# Altium PCB 宠物机器人&导购机器人.PcbDoc (part 3 of 14)
Units mil, origin at the board's own origin, x right, y up, seen from the top; angles counter-clockwise.
Board outline 6899.61 x 2204.72 mil, 2 copper layers (Top Layer, Bottom Layer); 229 components, 218 nets, 23463 pads, 263 vias.
Unrouted connection lines stored in the file: 107.
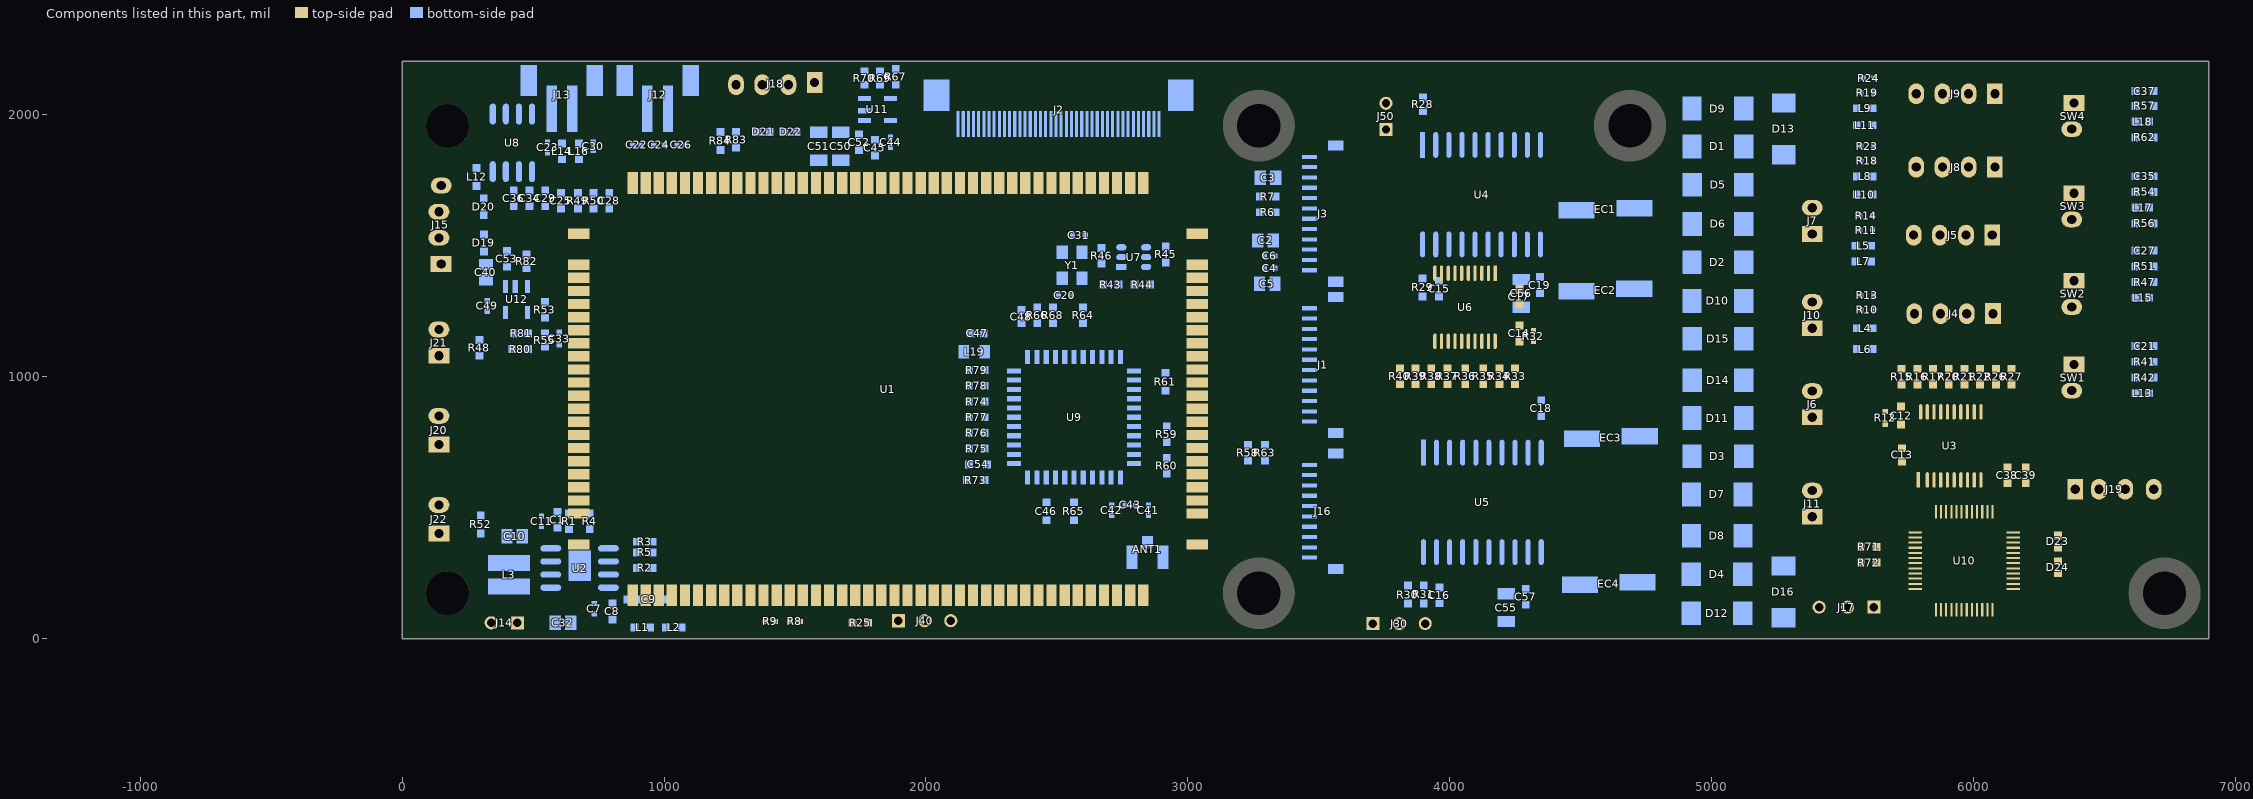
[diagram p3: the components of this part, seen from the top]

## Free pads (board coordinates) (continued)
  round 0.01 on Mech8: 1(-1217.05,-384.81) 1(-1217.05,-384.81) 1(-1217.05,-384.81) 1(-1217.05,-384.81) 1(-1217.04,-384.56) 1(-1217.04,-384.56) 1(-1217.04,-384.56) 1(-1217.04,-384.56) 1(-1217.04,-384.56) 1(-1217.04,-384.56) 1(-1217.04,-384.51) 1(-1217.04,-384.51) 1(-1217.04,-384.51) 1(-1217.04,-384.51) 1(-1217.04,-384.51) 1(-1217.04,-384.51) 1(-1217.04,-384.51) 1(-1217.04,-384.51) 1(-1217.04,-384.51) 1(-1217.04,-384.51) 1(-1217.04,-384.51) 1(-1217.04,-384.51) 1(-1217.04,-384.46) 1(-1217.04,-384.46) 1(-1217.04,-384.46) 1(-1217.04,-384.46) 1(-1217.04,-384.46) 1(-1217.04,-384.46) 1(-1217.03,-384.56) 1(-1217.03,-384.56) 1(-1217.03,-384.56) 1(-1217.03,-384.56) 1(-1217.03,-384.56) 1(-1217.03,-384.56) 1(-1217.03,-384.51) 1(-1217.03,-384.51) 1(-1217.03,-384.51) 1(-1217.03,-384.51) 1(-1217.03,-384.51) 1(-1217.03,-384.51) 1(-1217.03,-384.51) 1(-1217.03,-384.51) 1(-1217.03,-384.51) 1(-1217.03,-384.51) 1(-1217.03,-384.51) 1(-1217.03,-384.51) 1(-1217.03,-384.46) 1(-1217.03,-384.46) 1(-1217.03,-384.46) 1(-1217.03,-384.46) 1(-1217.03,-384.46) 1(-1217.03,-384.46) 1(-1217.01,-384.71) 1(-1217.01,-384.71) 1(-1217.01,-384.71) 1(-1217.01,-384.66) 1(-1217.01,-384.66) 1(-1217.01,-384.66) 1(-1217.01,-383.69) 1(-1217.01,-383.69) 1(-1217.01,-383.69) 1(-1217.01,-383.58) 1(-1217.01,-383.58) 1(-1217.01,-383.58) 1(-1217.01,-384.86) 1(-1217.01,-384.86) 1(-1217.01,-384.86) 1(-1217.01,-384.81) 1(-1217.01,-384.81) 1(-1217.01,-384.81) 1(-1217,-385) 1(-1217,-385) 1(-1217,-385) 1(-1217,-385) 1(-1217,-385) 1(-1217,-385) 1(-1217,-384.96) 1(-1217,-384.96) 1(-1217,-384.96) 1(-1217,-384.93) 1(-1217,-384.93) 1(-1217,-384.93) 1(-1217,-384.89) 1(-1217,-384.89) 1(-1217,-384.89) 1(-1217,-384.89) 1(-1217,-384.89) 1(-1217,-384.89) 1(-1216.99,-384.56) 1(-1216.99,-384.56) 1(-1216.99,-384.56) 1(-1216.99,-384.51) 1(-1216.99,-384.51) 1(-1216.99,-384.51) 1(-1216.99,-384.51) 1(-1216.99,-384.51) 1(-1216.99,-384.51) 1(-1216.99,-384.46) 1(-1216.99,-384.46) 1(-1216.99,-384.46) 1(-1216.98,-384.71) 1(-1216.98,-384.71) 1(-1216.98,-384.71) 1(-1216.98,-384.66) 1(-1216.98,-384.66) 1(-1216.98,-384.66) 1(-1216.98,-384.86) 1(-1216.98,-384.86) 1(-1216.98,-384.86) 1(-1216.98,-384.81) 1(-1216.98,-384.81) 1(-1216.98,-384.81) 1(-1216.96,-384.56) 1(-1216.96,-384.56) 1(-1216.96,-384.56) 1(-1216.96,-384.51) 1(-1216.96,-384.51) 1(-1216.96,-384.51) 1(-1216.96,-384.51) 1(-1216.96,-384.51) 1(-1216.96,-384.51) 1(-1216.96,-384.46) 1(-1216.96,-384.46) 1(-1216.96,-384.46) 1(-1216.96,-383.69) 1(-1216.96,-383.69) 1(-1216.96,-383.69) 1(-1216.96,-383.69) 1(-1216.96,-383.69) 1(-1216.96,-383.69) 1(-1216.96,-383.67) 1(-1216.96,-383.67) 1(-1216.96,-383.67) 1(-1216.96,-383.6) 1(-1216.96,-383.6) 1(-1216.96,-383.6) 1(-1216.96,-383.58) 1(-1216.96,-383.58) 1(-1216.96,-383.58) 1(-1216.96,-383.58) 1(-1216.96,-383.58) 1(-1216.96,-383.58) 1(-1216.94,-384.71) 1(-1216.94,-384.71) 1(-1216.94,-384.71) 1(-1216.94,-384.71) 1(-1216.94,-384.71) 1(-1216.94,-384.71) 1(-1216.94,-384.66) 1(-1216.94,-384.66) 1(-1216.94,-384.66) 1(-1216.94,-384.66) 1(-1216.94,-384.66) 1(-1216.94,-384.66) 1(-1216.94,-384.86) 1(-1216.94,-384.86) 1(-1216.94,-384.86) 1(-1216.94,-384.86) 1(-1216.94,-384.86) 1(-1216.94,-384.86) 1(-1216.94,-384.81) 1(-1216.94,-384.81) 1(-1216.94,-384.81) 1(-1216.94,-384.81) 1(-1216.94,-384.81) 1(-1216.94,-384.81) 1(-1216.92,-384.56) 1(-1216.92,-384.56) 1(-1216.92,-384.56) 1(-1216.92,-384.56) 1(-1216.92,-384.56) 1(-1216.92,-384.56) 1(-1216.92,-384.51) 1(-1216.92,-384.51) 1(-1216.92,-384.51) 1(-1216.92,-384.51) 1(-1216.92,-384.51) 1(-1216.92,-384.51) 1(-1216.92,-384.51) 1(-1216.92,-384.51) 1(-1216.92,-384.51) 1(-1216.92,-384.51) 1(-1216.92,-384.51) 1(-1216.92,-384.51) 1(-1216.92,-384.46) 1(-1216.92,-384.46) 1(-1216.92,-384.46) 1(-1216.92,-384.46) 1(-1216.92,-384.46) 1(-1216.92,-384.46) 1(-1216.55,-384.18) 1(-1216.55,-384.18) 1(-1216.55,-384.18) 1(-1216.55,-384.18) 1(-1216.55,-384.18) 1(-1216.55,-384.18) 1(-1216.55,-384.14) 1(-1216.55,-384.14) 1(-1216.55,-384.14) 1(-1216.55,-384.11) 1(-1216.55,-384.11) 1(-1216.55,-384.11) 1(-1216.55,-384.07) 1(-1216.55,-384.07) 1(-1216.55,-384.07) 1(-1216.55,-384.07) 1(-1216.55,-384.07) 1(-1216.55,-384.07) 1(-1216.55,-384.06) 1(-1216.55,-384.06) 1(-1216.55,-384.06) 1(-1216.55,-384.06) 1(-1216.55,-384.06) 1(-1216.55,-384.06) 1(-1216.55,-384.02) 1(-1216.55,-384.02) 1(-1216.55,-384.02) 1(-1216.55,-383.99) 1(-1216.55,-383.99) 1(-1216.55,-383.99) 1(-1216.55,-383.95) 1(-1216.55,-383.95) 1(-1216.55,-383.95) 1(-1216.55,-383.95) 1(-1216.55,-383.95) 1(-1216.55,-383.95) 1(-1216.55,-383.95) 1(-1216.55,-383.95) 1(-1216.55,-383.95) 1(-1216.55,-383.95) 1(-1216.55,-383.95) 1(-1216.55,-383.95) 1(-1216.55,-383.91) 1(-1216.55,-383.91) 1(-1216.55,-383.91) 1(-1216.55,-383.88) 1(-1216.55,-383.88) 1(-1216.55,-383.88) 1(-1216.55,-383.84) 1(-1216.55,-383.84) 1(-1216.55,-383.84) 1(-1216.55,-383.84) 1(-1216.55,-383.84) 1(-1216.55,-383.84) 1(-1216.55,-383.83) 1(-1216.55,-383.83) 1(-1216.55,-383.83) 1(-1216.55,-383.83) 1(-1216.55,-383.83) 1(-1216.55,-383.83) 1(-1216.55,-383.79) 1(-1216.55,-383.79) 1(-1216.55,-383.79) 1(-1216.55,-383.76) 1(-1216.55,-383.76) 1(-1216.55,-383.76) 1(-1216.55,-383.72) 1(-1216.55,-383.72) 1(-1216.55,-383.72) 1(-1216.55,-383.72) 1(-1216.55,-383.72) 1(-1216.55,-383.72) 1(-1216.5,-384.18) 1(-1216.5,-384.18) 1(-1216.5,-384.18) 1(-1216.5,-384.18) 1(-1216.5,-384.18) 1(-1216.5,-384.18) 1(-1216.5,-384.14) 1(-1216.5,-384.14) 1(-1216.5,-384.14) 1(-1216.5,-384.11) 1(-1216.5,-384.11) 1(-1216.5,-384.11) 1(-1216.5,-384.07) 1(-1216.5,-384.07) 1(-1216.5,-384.07) 1(-1216.5,-384.07) 1(-1216.5,-384.07) 1(-1216.5,-384.07) 1(-1216.5,-384.06) 1(-1216.5,-384.06) 1(-1216.5,-384.06) 1(-1216.5,-384.06) 1(-1216.5,-384.06) 1(-1216.5,-384.06) 1(-1216.5,-384.02) 1(-1216.5,-384.02) 1(-1216.5,-384.02) 1(-1216.5,-383.99) 1(-1216.5,-383.99) 1(-1216.5,-383.99) 1(-1216.5,-383.95) 1(-1216.5,-383.95) 1(-1216.5,-383.95) 1(-1216.5,-383.95) 1(-1216.5,-383.95) 1(-1216.5,-383.95) 1(-1216.5,-383.95) 1(-1216.5,-383.95) 1(-1216.5,-383.95) 1(-1216.5,-383.95) 1(-1216.5,-383.95) 1(-1216.5,-383.95) 1(-1216.5,-383.91) 1(-1216.5,-383.91) 1(-1216.5,-383.91) 1(-1216.5,-383.88) 1(-1216.5,-383.88) 1(-1216.5,-383.88) 1(-1216.5,-383.84) 1(-1216.5,-383.84) 1(-1216.5,-383.84) 1(-1216.5,-383.84) 1(-1216.5,-383.84) 1(-1216.5,-383.84) 1(-1216.5,-383.83) 1(-1216.5,-383.83) 1(-1216.5,-383.83) 1(-1216.5,-383.83) 1(-1216.5,-383.83) 1(-1216.5,-383.83) 1(-1216.5,-383.79) 1(-1216.5,-383.79) 1(-1216.5,-383.79) 1(-1216.5,-383.76) 1(-1216.5,-383.76) 1(-1216.5,-383.76) 1(-1216.5,-383.72) 1(-1216.5,-383.72) 1(-1216.5,-383.72) 1(-1216.5,-383.72) 1(-1216.5,-383.72) 1(-1216.5,-383.72) 1(-1216.49,-384.48) 1(-1216.49,-384.48) 1(-1216.49,-384.48) 1(-1216.49,-384.41) 1(-1216.49,-384.41) 1(-1216.49,-384.41) 1(-1216.46,-384.92) 1(-1216.46,-384.92) 1(-1216.46,-384.92) 1(-1216.46,-384.92) 1(-1216.46,-384.92) 1(-1216.46,-384.92) 1(-1216.46,-384.87) 1(-1216.46,-384.87) 1(-1216.46,-384.87) 1(-1216.46,-384.87) 1(-1216.46,-384.87) 1(-1216.46,-384.87) 1(-1216.46,-384.83) 1(-1216.46,-384.83) 1(-1216.46,-384.83) 1(-1216.46,-384.83) 1(-1216.46,-384.83) 1(-1216.46,-384.83) 1(-1216.46,-384.78) 1(-1216.46,-384.78) 1(-1216.46,-384.78) 1(-1216.46,-384.78) 1(-1216.46,-384.78) 1(-1216.46,-384.78) 1(-1216.46,-384.77) 1(-1216.46,-384.77) 1(-1216.46,-384.77) 1(-1216.46,-384.77) 1(-1216.46,-384.77) 1(-1216.46,-384.77) 1(-1216.46,-384.72) 1(-1216.46,-384.72) 1(-1216.46,-384.72) 1(-1216.46,-384.72) 1(-1216.46,-384.72) 1(-1216.46,-384.72) 1(-1216.46,-384.71) 1(-1216.46,-384.71) 1(-1216.46,-384.71) 1(-1216.46,-384.71) 1(-1216.46,-384.71) 1(-1216.46,-384.71) 1(-1216.46,-384.66) 1(-1216.46,-384.66) 1(-1216.46,-384.66) 1(-1216.46,-384.66) 1(-1216.46,-384.66) 1(-1216.46,-384.66) 1(-1216.46,-384.65) 1(-1216.46,-384.65) 1(-1216.46,-384.65) 1(-1216.46,-384.65) 1(-1216.46,-384.65) 1(-1216.46,-384.65) 1(-1216.46,-384.6) 1(-1216.46,-384.6) 1(-1216.46,-384.6) 1(-1216.46,-384.6) 1(-1216.46,-384.6) 1(-1216.46,-384.6) 1(-1216.46,-384.59) 1(-1216.46,-384.59) 1(-1216.46,-384.59) 1(-1216.46,-384.59) 1(-1216.46,-384.59) 1(-1216.46,-384.59) 1(-1216.46,-384.54) 1(-1216.46,-384.54) 1(-1216.46,-384.54) 1(-1216.46,-384.54) 1(-1216.46,-384.54) 1(-1216.46,-384.54) 1(-1216.46,-384.54) 1(-1216.46,-384.54) 1(-1216.46,-384.54) 1(-1216.46,-384.54) 1(-1216.46,-384.54) 1(-1216.46,-384.54) 1(-1216.46,-384.49) 1(-1216.46,-384.49) 1(-1216.46,-384.49) 1(-1216.46,-384.49) 1(-1216.46,-384.49) 1(-1216.46,-384.49) 1(-1216.44,-384.48) 1(-1216.44,-384.48) 1(-1216.44,-384.48) 1(-1216.44,-384.48) 1(-1216.44,-384.48) 1(-1216.44,-384.48) 1(-1216.44,-384.41) 1(-1216.44,-384.41) 1(-1216.44,-384.41) 1(-1216.44,-384.41) 1(-1216.44,-384.41) 1(-1216.44,-384.41) 1(-1216.42,-384.92) 1(-1216.42,-384.92) 1(-1216.42,-384.92) 1(-1216.42,-384.87) 1(-1216.42,-384.87) 1(-1216.42,-384.87) 1(-1216.42,-384.83) 1(-1216.42,-384.83) 1(-1216.42,-384.83) 1(-1216.42,-384.78) 1(-1216.42,-384.78) 1(-1216.42,-384.78) 1(-1216.42,-384.77) 1(-1216.42,-384.77) 1(-1216.42,-384.77) 1(-1216.42,-384.72) 1(-1216.42,-384.72) 1(-1216.42,-384.72) 1(-1216.42,-384.71) 1(-1216.42,-384.71) 1(-1216.42,-384.71) 1(-1216.42,-384.66) 1(-1216.42,-384.66) 1(-1216.42,-384.66) 1(-1216.42,-384.65) 1(-1216.42,-384.65) 1(-1216.42,-384.65) 1(-1216.42,-384.6) 1(-1216.42,-384.6) 1(-1216.42,-384.6) 1(-1216.42,-384.59) 1(-1216.42,-384.59) 1(-1216.42,-384.59) 1(-1216.42,-384.54) 1(-1216.42,-384.54) 1(-1216.42,-384.54) 1(-1216.42,-384.54) 1(-1216.42,-384.54) 1(-1216.42,-384.54) 1(-1216.42,-384.49) 1(-1216.42,-384.49) 1(-1216.42,-384.49) 1(-1216.41,-383.41) 1(-1216.41,-383.41) 1(-1216.41,-383.41) 1(-1216.41,-383.41) 1(-1216.41,-383.41) 1(-1216.41,-383.41) 1(-1216.41,-383.37) 1(-1216.41,-383.37) 1(-1216.41,-383.37) 1(-1216.41,-383.34) 1(-1216.41,-383.34) 1(-1216.41,-383.34) 1(-1216.41,-383.3) 1(-1216.41,-383.3) 1(-1216.41,-383.3) 1(-1216.41,-383.3) 1(-1216.41,-383.3) 1(-1216.41,-383.3) 1(-1216.4,-383.82) 1(-1216.4,-383.82) 1(-1216.4,-383.82) 1(-1216.4,-383.82) 1(-1216.4,-383.82) 1(-1216.4,-383.82) 1(-1216.4,-383.78) 1(-1216.4,-383.78) 1(-1216.4,-383.78) 1(-1216.4,-383.75) 1(-1216.4,-383.75) 1(-1216.4,-383.75) 1(-1216.4,-383.71) 1(-1216.4,-383.71) 1(-1216.4,-383.71) 1(-1216.4,-383.71) 1(-1216.4,-383.71) 1(-1216.4,-383.71) 1(-1216.39,-384.92) 1(-1216.39,-384.92) 1(-1216.39,-384.92) 1(-1216.39,-384.87) 1(-1216.39,-384.87) 1(-1216.39,-384.87) 1(-1216.39,-384.83) 1(-1216.39,-384.83) 1(-1216.39,-384.83) 1(-1216.39,-384.78) 1(-1216.39,-384.78) 1(-1216.39,-384.78) 1(-1216.39,-384.77) 1(-1216.39,-384.77) 1(-1216.39,-384.77) 1(-1216.39,-384.72) 1(-1216.39,-384.72) 1(-1216.39,-384.72) 1(-1216.39,-384.71) 1(-1216.39,-384.71) 1(-1216.39,-384.71) 1(-1216.39,-384.66) 1(-1216.39,-384.66) 1(-1216.39,-384.66) 1(-1216.39,-384.65) 1(-1216.39,-384.65) 1(-1216.39,-384.65) 1(-1216.39,-384.6) 1(-1216.39,-384.6) 1(-1216.39,-384.6) 1(-1216.39,-384.59) 1(-1216.39,-384.59) 1(-1216.39,-384.59) 1(-1216.39,-384.54) 1(-1216.39,-384.54) 1(-1216.39,-384.54) 1(-1216.39,-384.54) 1(-1216.39,-384.54) 1(-1216.39,-384.54) 1(-1216.39,-384.49) 1(-1216.39,-384.49) 1(-1216.39,-384.49) 1(-1216.36,-383.41) 1(-1216.36,-383.41) 1(-1216.36,-383.41) 1(-1216.36,-383.41) 1(-1216.36,-383.41) 1(-1216.36,-383.41) 1(-1216.36,-383.37) 1(-1216.36,-383.37) 1(-1216.36,-383.37) 1(-1216.36,-383.34) 1(-1216.36,-383.34) 1(-1216.36,-383.34) 1(-1216.36,-383.3) 1(-1216.36,-383.3) 1(-1216.36,-383.3) 1(-1216.36,-383.3) 1(-1216.36,-383.3) 1(-1216.36,-383.3) 1(-1216.35,-383.41) 1(-1216.35,-383.41) 1(-1216.35,-383.41) 1(-1216.35,-383.41) 1(-1216.35,-383.41) 1(-1216.35,-383.41) 1(-1216.35,-383.37) 1(-1216.35,-383.37) 1(-1216.35,-383.37) 1(-1216.35,-383.34) 1(-1216.35,-383.34) 1(-1216.35,-383.34) 1(-1216.35,-383.3) 1(-1216.35,-383.3) 1(-1216.35,-383.3) 1(-1216.35,-383.3) 1(-1216.35,-383.3) 1(-1216.35,-383.3) 1(-1216.35,-384.92) 1(-1216.35,-384.92) 1(-1216.35,-384.92) 1(-1216.35,-384.92) 1(-1216.35,-384.92) 1(-1216.35,-384.92) 1(-1216.35,-384.87) 1(-1216.35,-384.87) 1(-1216.35,-384.87) 1(-1216.35,-384.87) 1(-1216.35,-384.87) 1(-1216.35,-384.87) 1(-1216.35,-384.83) 1(-1216.35,-384.83) 1(-1216.35,-384.83) 1(-1216.35,-384.83) 1(-1216.35,-384.83) 1(-1216.35,-384.83) 1(-1216.35,-384.78) 1(-1216.35,-384.78) 1(-1216.35,-384.78) 1(-1216.35,-384.78) 1(-1216.35,-384.78) 1(-1216.35,-384.78) 1(-1216.35,-384.77) 1(-1216.35,-384.77) 1(-1216.35,-384.77) 1(-1216.35,-384.77) 1(-1216.35,-384.77) 1(-1216.35,-384.77) 1(-1216.35,-384.72) 1(-1216.35,-384.72) 1(-1216.35,-384.72) 1(-1216.35,-384.72) 1(-1216.35,-384.72) 1(-1216.35,-384.72) 1(-1216.35,-384.71) 1(-1216.35,-384.71) 1(-1216.35,-384.71) 1(-1216.35,-384.71) 1(-1216.35,-384.71) 1(-1216.35,-384.71) 1(-1216.35,-384.66) 1(-1216.35,-384.66) 1(-1216.35,-384.66) 1(-1216.35,-384.66) 1(-1216.35,-384.66) 1(-1216.35,-384.66) 1(-1216.35,-384.65) 1(-1216.35,-384.65) 1(-1216.35,-384.65) 1(-1216.35,-384.65) 1(-1216.35,-384.65) 1(-1216.35,-384.65) 1(-1216.35,-384.6) 1(-1216.35,-384.6) 1(-1216.35,-384.6) 1(-1216.35,-384.6) 1(-1216.35,-384.6) 1(-1216.35,-384.6) 1(-1216.35,-384.59) 1(-1216.35,-384.59) 1(-1216.35,-384.59) 1(-1216.35,-384.59) 1(-1216.35,-384.59) 1(-1216.35,-384.59) 1(-1216.35,-384.54) 1(-1216.35,-384.54) 1(-1216.35,-384.54) 1(-1216.35,-384.54) 1(-1216.35,-384.54) 1(-1216.35,-384.54) 1(-1216.35,-384.54) 1(-1216.35,-384.54) 1(-1216.35,-384.54) 1(-1216.35,-384.54) 1(-1216.35,-384.54) 1(-1216.35,-384.54) 1(-1216.35,-384.49) 1(-1216.35,-384.49) 1(-1216.35,-384.49) 1(-1216.35,-384.49) 1(-1216.35,-384.49) 1(-1216.35,-384.49) 1(-1216.35,-384.48) 1(-1216.35,-384.48) 1(-1216.35,-384.48) 1(-1216.35,-384.41) 1(-1216.35,-384.41) 1(-1216.35,-384.41) 1(-1216.35,-383.82) 1(-1216.35,-383.82) 1(-1216.35,-383.82) 1(-1216.35,-383.82) 1(-1216.35,-383.82) 1(-1216.35,-383.82) 1(-1216.35,-383.78) 1(-1216.35,-383.78) 1(-1216.35,-383.78) 1(-1216.35,-383.75) 1(-1216.35,-383.75) 1(-1216.35,-383.75) 1(-1216.35,-383.71) 1(-1216.35,-383.71) 1(-1216.35,-383.71) 1(-1216.35,-383.71) 1(-1216.35,-383.71) 1(-1216.35,-383.71) 1(-1216.34,-383.82) 1(-1216.34,-383.82) 1(-1216.34,-383.82) 1(-1216.34,-383.82) 1(-1216.34,-383.82) 1(-1216.34,-383.82) 1(-1216.34,-383.78) 1(-1216.34,-383.78) 1(-1216.34,-383.78) 1(-1216.34,-383.76) 1(-1216.34,-383.76) 1(-1216.34,-383.76) 1(-1216.34,-383.72) 1(-1216.34,-383.72) 1(-1216.34,-383.72) 1(-1216.34,-383.71) 1(-1216.34,-383.71) 1(-1216.34,-383.71) 1(-1216.34,-383.71) 1(-1216.34,-383.71) 1(-1216.34,-383.71) 1(-1216.3,-383.41) 1(-1216.3,-383.41) 1(-1216.3,-383.41) 1(-1216.3,-383.41) 1(-1216.3,-383.41) 1(-1216.3,-383.41) 1(-1216.3,-383.37) 1(-1216.3,-383.37) 1(-1216.3,-383.37) 1(-1216.3,-383.34) 1(-1216.3,-383.34) 1(-1216.3,-383.34) 1(-1216.3,-383.3) 1(-1216.3,-383.3) 1(-1216.3,-383.3) 1(-1216.3,-383.3) 1(-1216.3,-383.3) 1(-1216.3,-383.3) 1(-1216.29,-383.82) 1(-1216.29,-383.82) 1(-1216.29,-383.82) 1(-1216.29,-383.82) 1(-1216.29,-383.82) 1(-1216.29,-383.82) 1(-1216.29,-383.78) 1(-1216.29,-383.78) 1(-1216.29,-383.78) 1(-1216.29,-383.76) 1(-1216.29,-383.76) 1(-1216.29,-383.76) 1(-1216.29,-383.72) 1(-1216.29,-383.72) 1(-1216.29,-383.72) 1(-1216.29,-383.71) 1(-1216.29,-383.71) 1(-1216.29,-383.71) 1(-1216.29,-383.71) 1(-1216.29,-383.71) 1(-1216.29,-383.71) 1(-1216.29,-384.21) 1(-1216.29,-384.21) 1(-1216.29,-384.21) 1(-1216.29,-384.21) 1(-1216.29,-384.21) 1(-1216.29,-384.21) 1(-1216.29,-384.17) 1(-1216.29,-384.17) 1(-1216.29,-384.17) 1(-1216.29,-384.14) 1(-1216.29,-384.14) 1(-1216.29,-384.14) 1(-1216.29,-384.1) 1(-1216.29,-384.1) 1(-1216.29,-384.1) 1(-1216.29,-384.1) 1(-1216.29,-384.1) 1(-1216.29,-384.1) 1(-1216.29,-384.09) 1(-1216.29,-384.09) 1(-1216.29,-384.09) 1(-1216.29,-384.09) 1(-1216.29,-384.09) 1(-1216.29,-384.09) 1(-1216.29,-384.05) 1(-1216.29,-384.05) 1(-1216.29,-384.05) 1(-1216.29,-384.02) 1(-1216.29,-384.02) 1(-1216.29,-384.02) 1(-1216.29,-383.98) 1(-1216.29,-383.98) 1(-1216.29,-383.98) 1(-1216.29,-383.98) 1(-1216.29,-383.98) 1(-1216.29,-383.98) 1(-1216.24,-383.82) 1(-1216.24,-383.82) 1(-1216.24,-383.82) 1(-1216.24,-383.82) 1(-1216.24,-383.82) 1(-1216.24,-383.82) 1(-1216.24,-383.78) 1(-1216.24,-383.78) 1(-1216.24,-383.78) 1(-1216.24,-383.75) 1(-1216.24,-383.75) 1(-1216.24,-383.75) 1(-1216.24,-383.71) 1(-1216.24,-383.71) 1(-1216.24,-383.71) 1(-1216.24,-383.71) 1(-1216.24,-383.71) 1(-1216.24,-383.71) 1(-1216.24,-383.97) 1(-1216.24,-383.97) 1(-1216.24,-383.97) 1(-1216.24,-383.97) 1(-1216.24,-383.97) 1(-1216.24,-383.97) 1(-1216.24,-383.93) 1(-1216.24,-383.93) 1(-1216.24,-383.93) 1(-1216.24,-383.9) 1(-1216.24,-383.9) 1(-1216.24,-383.9) 1(-1216.24,-383.86) 1(-1216.24,-383.86) 1(-1216.24,-383.86) 1(-1216.24,-383.86) 1(-1216.24,-383.86) 1(-1216.24,-383.86) 1(-1216.24,-384.21) 1(-1216.24,-384.21) 1(-1216.24,-384.21) 1(-1216.24,-384.21) 1(-1216.24,-384.21) 1(-1216.24,-384.21) 1(-1216.24,-384.17) 1(-1216.24,-384.17) 1(-1216.24,-384.17) 1(-1216.24,-384.14) 1(-1216.24,-384.14) 1(-1216.24,-384.14) 1(-1216.24,-384.1) 1(-1216.24,-384.1) 1(-1216.24,-384.1) 1(-1216.24,-384.1) 1(-1216.24,-384.1) 1(-1216.24,-384.1) 1(-1216.24,-384.09) 1(-1216.24,-384.09) 1(-1216.24,-384.09) 1(-1216.24,-384.09) 1(-1216.24,-384.09) 1(-1216.24,-384.09) 1(-1216.24,-384.05) 1(-1216.24,-384.05) 1(-1216.24,-384.05) 1(-1216.24,-384.02) 1(-1216.24,-384.02) 1(-1216.24,-384.02) 1(-1216.24,-383.98) 1(-1216.24,-383.98) 1(-1216.24,-383.98) 1(-1216.24,-383.98) 1(-1216.24,-383.98) 1(-1216.24,-383.98) 1(-1216.22,-384.35) 1(-1216.22,-384.35) 1(-1216.22,-384.35) 1(-1216.22,-384.35) 1(-1216.22,-384.35) 1(-1216.22,-384.35) 1(-1216.22,-384.31) 1(-1216.22,-384.31) 1(-1216.22,-384.31) 1(-1216.22,-384.28) 1(-1216.22,-384.28) 1(-1216.22,-384.28) 1(-1216.22,-384.24) 1(-1216.22,-384.24) 1(-1216.22,-384.24) 1(-1216.22,-384.24) 1(-1216.22,-384.24) 1(-1216.22,-384.24) 1(-1216.19,-383.82) 1(-1216.19,-383.82) 1(-1216.19,-383.82) 1(-1216.19,-383.82) 1(-1216.19,-383.82) 1(-1216.19,-383.82) 1(-1216.19,-383.78) 1(-1216.19,-383.78) 1(-1216.19,-383.78) 1(-1216.19,-383.75) 1(-1216.19,-383.75) 1(-1216.19,-383.75) 1(-1216.19,-383.71) 1(-1216.19,-383.71) 1(-1216.19,-383.71) 1(-1216.19,-383.71) 1(-1216.19,-383.71) 1(-1216.19,-383.71) 1(-1216.19,-383.97) 1(-1216.19,-383.97) 1(-1216.19,-383.97) 1(-1216.19,-383.97) 1(-1216.19,-383.97) 1(-1216.19,-383.97) 1(-1216.19,-383.93) 1(-1216.19,-383.93) 1(-1216.19,-383.93) 1(-1216.19,-383.9) 1(-1216.19,-383.9) 1(-1216.19,-383.9) 1(-1216.19,-383.86) 1(-1216.19,-383.86) 1(-1216.19,-383.86) 1(-1216.19,-383.86) 1(-1216.19,-383.86) 1(-1216.19,-383.86) 1(-1216.19,-383.82) 1(-1216.19,-383.82) 1(-1216.19,-383.82) 1(-1216.19,-383.82) 1(-1216.19,-383.82) 1(-1216.19,-383.82) 1(-1216.19,-383.78) 1(-1216.19,-383.78) 1(-1216.19,-383.78) 1(-1216.19,-383.75) 1(-1216.19,-383.75) 1(-1216.19,-383.75) 1(-1216.19,-383.71) 1(-1216.19,-383.71) 1(-1216.19,-383.71) 1(-1216.19,-383.71) 1(-1216.19,-383.71) 1(-1216.19,-383.71) 1(-1216.17,-384.35) 1(-1216.17,-384.35) 1(-1216.17,-384.35) 1(-1216.17,-384.35) 1(-1216.17,-384.35) 1(-1216.17,-384.35) 1(-1216.17,-384.31) 1(-1216.17,-384.31) 1(-1216.17,-384.31) 1(-1216.17,-384.28) 1(-1216.17,-384.28) 1(-1216.17,-384.28) 1(-1216.17,-384.24) 1(-1216.17,-384.24) 1(-1216.17,-384.24) 1(-1216.17,-384.24) 1(-1216.17,-384.24) 1(-1216.17,-384.24) 1(-1216.16,-384.35) 1(-1216.16,-384.35) 1(-1216.16,-384.35) 1(-1216.16,-384.35) 1(-1216.16,-384.35) 1(-1216.16,-384.35) 1(-1216.16,-384.31) 1(-1216.16,-384.31) 1(-1216.16,-384.31) 1(-1216.16,-384.28) 1(-1216.16,-384.28) 1(-1216.16,-384.28) 1(-1216.16,-384.24) 1(-1216.16,-384.24) 1(-1216.16,-384.24) 1(-1216.16,-384.24) 1(-1216.16,-384.24) 1(-1216.16,-384.24) 1(-1216.15,-383.88) 1(-1216.15,-383.88) 1(-1216.15,-383.88) 1(-1216.15,-383.88) 1(-1216.15,-383.88) 1(-1216.15,-383.88) 1(-1216.15,-383.83) 1(-1216.15,-383.83) 1(-1216.15,-383.83) 1(-1216.15,-383.83) 1(-1216.15,-383.83) 1(-1216.15,-383.83) 1(-1216.14,-383.82) 1(-1216.14,-383.82) 1(-1216.14,-383.82) 1(-1216.14,-383.82) 1(-1216.14,-383.82) 1(-1216.14,-383.82) 1(-1216.14,-383.78) 1(-1216.14,-383.78) 1(-1216.14,-383.78) 1(-1216.14,-383.75) 1(-1216.14,-383.75) 1(-1216.14,-383.75) 1(-1216.14,-383.71) 1(-1216.14,-383.71) 1(-1216.14,-383.71) 1(-1216.14,-383.71) 1(-1216.14,-383.71) 1(-1216.14,-383.71) 1(-1216.13,-384.2) 1(-1216.13,-384.2) 1(-1216.13,-384.2) 1(-1216.13,-384.2) 1(-1216.13,-384.2) 1(-1216.13,-384.2) 1(-1216.13,-384.16) 1(-1216.13,-384.16) 1(-1216.13,-384.16) 1(-1216.13,-384.13) 1(-1216.13,-384.13) 1(-1216.13,-384.13) 1(-1216.13,-384.09) 1(-1216.13,-384.09) 1(-1216.13,-384.09) 1(-1216.13,-384.09) 1(-1216.13,-384.09) 1(-1216.13,-384.09) 1(-1216.11,-384.35) 1(-1216.11,-384.35) 1(-1216.11,-384.35) 1(-1216.11,-384.35) 1(-1216.11,-384.35) 1(-1216.11,-384.35) 1(-1216.11,-384.31) 1(-1216.11,-384.31) 1(-1216.11,-384.31) 1(-1216.11,-384.28) 1(-1216.11,-384.28) 1(-1216.11,-384.28) 1(-1216.11,-384.24) 1(-1216.11,-384.24) 1(-1216.11,-384.24) 1(-1216.11,-384.24) 1(-1216.11,-384.24) 1(-1216.11,-384.24) 1(-1216.11,-383.88) 1(-1216.11,-383.88) 1(-1216.11,-383.88) 1(-1216.11,-383.83) 1(-1216.11,-383.83) 1(-1216.11,-383.83) 1(-1216.08,-385.04) 1(-1216.08,-385.04) 1(-1216.08,-385.04) 1(-1216.08,-385.04) 1(-1216.08,-385.04) 1(-1216.08,-385.04) 1(-1216.08,-385) 1(-1216.08,-385) 1(-1216.08,-385) 1(-1216.08,-384.97) 1(-1216.08,-384.97) 1(-1216.08,-384.97) 1(-1216.08,-384.93) 1(-1216.08,-384.93) 1(-1216.08,-384.93) 1(-1216.08,-384.93) 1(-1216.08,-384.93) 1(-1216.08,-384.93) 1(-1216.08,-383.88) 1(-1216.08,-383.88) 1(-1216.08,-383.88) 1(-1216.08,-383.83) 1(-1216.08,-383.83) 1(-1216.08,-383.83) 1(-1216.08,-384.2) 1(-1216.08,-384.2) 1(-1216.08,-384.2) 1(-1216.08,-384.2) 1(-1216.08,-384.2) 1(-1216.08,-384.2) 1(-1216.08,-384.16) 1(-1216.08,-384.16) 1(-1216.08,-384.16) 1(-1216.08,-384.13) 1(-1216.08,-384.13) 1(-1216.08,-384.13) 1(-1216.08,-384.09) 1(-1216.08,-384.09) 1(-1216.08,-384.09) 1(-1216.08,-384.09) 1(-1216.08,-384.09) 1(-1216.08,-384.09) 1(-1216.05,-384.35) 1(-1216.05,-384.35) 1(-1216.05,-384.35) 1(-1216.05,-384.35) 1(-1216.05,-384.35) 1(-1216.05,-384.35) 1(-1216.05,-384.31) 1(-1216.05,-384.31) 1(-1216.05,-384.31) 1(-1216.05,-384.28) 1(-1216.05,-384.28) 1(-1216.05,-384.28) 1(-1216.05,-384.24) 1(-1216.05,-384.24) 1(-1216.05,-384.24) 1(-1216.05,-384.24) 1(-1216.05,-384.24) 1(-1216.05,-384.24) 1(-1216.04,-383.88) 1(-1216.04,-383.88) 1(-1216.04,-383.88) 1(-1216.04,-383.88) 1(-1216.04,-383.88) 1(-1216.04,-383.88) 1(-1216.04,-383.83) 1(-1216.04,-383.83) 1(-1216.04,-383.83) 1(-1216.04,-383.83) 1(-1216.04,-383.83) 1(-1216.04,-383.83) 1(-1216.03,-385.04) 1(-1216.03,-385.04) 1(-1216.03,-385.04) 1(-1216.03,-385.04) 1(-1216.03,-385.04) 1(-1216.03,-385.04) 1(-1216.03,-385) 1(-1216.03,-385) 1(-1216.03,-385) 1(-1216.03,-384.97) 1(-1216.03,-384.97) 1(-1216.03,-384.97) 1(-1216.03,-384.93) 1(-1216.03,-384.93) 1(-1216.03,-384.93) 1(-1216.03,-384.93) 1(-1216.03,-384.93) 1(-1216.03,-384.93) 1(-1216.03,-383.88) 1(-1216.03,-383.88) 1(-1216.03,-383.88) 1(-1216.03,-383.88) 1(-1216.03,-383.88) 1(-1216.03,-383.88) 1(-1216.03,-383.83) 1(-1216.03,-383.83) 1(-1216.03,-383.83) 1(-1216.03,-383.83) 1(-1216.03,-383.83) 1(-1216.03,-383.83) 1(-1216,-384.35) 1(-1216,-384.35) 1(-1216,-384.35) 1(-1216,-384.35) 1(-1216,-384.35) 1(-1216,-384.35) 1(-1216,-384.31) 1(-1216,-384.31) 1(-1216,-384.31) 1(-1216,-384.28) 1(-1216,-384.28) 1(-1216,-384.28) 1(-1216,-384.24) 1(-1216,-384.24) 1(-1216,-384.24) 1(-1216,-384.24) 1(-1216,-384.24) 1(-1216,-384.24) 1(-1215.99,-384.35) 1(-1215.99,-384.35) 1(-1215.99,-384.35) 1(-1215.99,-384.35) 1(-1215.99,-384.35) 1(-1215.99,-384.35) 1(-1215.99,-384.31) 1(-1215.99,-384.31) 1(-1215.99,-384.31) 1(-1215.99,-384.28) 1(-1215.99,-384.28) 1(-1215.99,-384.28) 1(-1215.99,-384.24) 1(-1215.99,-384.24) 1(-1215.99,-384.24) 1(-1215.99,-384.24) 1(-1215.99,-384.24) 1(-1215.99,-384.24) 1(-1215.99,-383.88) 1(-1215.99,-383.88) 1(-1215.99,-383.88) 1(-1215.99,-383.83) 1(-1215.99,-383.83) 1(-1215.99,-383.83) 1(-1215.96,-383.88) 1(-1215.96,-383.88) 1(-1215.96,-383.88) 1(-1215.96,-383.83) 1(-1215.96,-383.83) 1(-1215.96,-383.83) 1(-1215.95,-383.15) 1(-1215.95,-383.15) 1(-1215.95,-383.15) 1(-1215.95,-383.15) 1(-1215.95,-383.15) 1(-1215.95,-383.15) 1(-1215.95,-382.94) 1(-1215.95,-382.94) 1(-1215.95,-382.94) 1(-1215.95,-382.94) 1(-1215.95,-382.94) 1(-1215.95,-382.94) 1(-1215.94,-384.35) 1(-1215.94,-384.35) 1(-1215.94,-384.35) 1(-1215.94,-384.35) 1(-1215.94,-384.35) 1(-1215.94,-384.35) 1(-1215.94,-384.31) 1(-1215.94,-384.31) 1(-1215.94,-384.31) 1(-1215.94,-384.28) 1(-1215.94,-384.28) 1(-1215.94,-384.28) 1(-1215.94,-384.24) 1(-1215.94,-384.24) 1(-1215.94,-384.24) 1(-1215.94,-384.24) 1(-1215.94,-384.24) 1(-1215.94,-384.24) 1(-1215.94,-383.36) 1(-1215.94,-383.36) 1(-1215.94,-383.36) 1(-1215.94,-383.36) 1(-1215.94,-383.36) 1(-1215.94,-383.36) 1(-1215.94,-383.31) 1(-1215.94,-383.31) 1(-1215.94,-383.31) 1(-1215.94,-383.31) 1(-1215.94,-383.31) 1(-1215.94,-383.31) 1(-1215.94,-384.35) 1(-1215.94,-384.35) 1(-1215.94,-384.35) 1(-1215.94,-384.35) 1(-1215.94,-384.35) 1(-1215.94,-384.35) 1(-1215.94,-384.31) 1(-1215.94,-384.31) 1(-1215.94,-384.31) 1(-1215.94,-384.28) 1(-1215.94,-384.28) 1(-1215.94,-384.28) 1(-1215.94,-384.24) 1(-1215.94,-384.24) 1(-1215.94,-384.24) 1(-1215.94,-384.24) 1(-1215.94,-384.24) 1(-1215.94,-384.24) 1(-1215.93,-383.27) 1(-1215.93,-383.27) 1(-1215.93,-383.27) 1(-1215.93,-383.27) 1(-1215.93,-383.27) 1(-1215.93,-383.27) 1(-1215.93,-383.25) 1(-1215.93,-383.25) 1(-1215.93,-383.25) 1(-1215.93,-383.25) 1(-1215.93,-383.25) 1(-1215.93,-383.25) 1(-1215.92,-383.88) 1(-1215.92,-383.88) 1(-1215.92,-383.88) 1(-1215.92,-383.88) 1(-1215.92,-383.88) 1(-1215.92,-383.88) 1(-1215.92,-383.83) 1(-1215.92,-383.83) 1(-1215.92,-383.83) 1(-1215.92,-383.83) 1(-1215.92,-383.83) 1(-1215.92,-383.83) 1(-1215.92,-383.28) 1(-1215.92,-383.28) 1(-1215.92,-383.28) 1(-1215.92,-384.2) 1(-1215.92,-384.2) 1(-1215.92,-384.2) 1(-1215.92,-384.2) 1(-1215.92,-384.2) 1(-1215.92,-384.2) 1(-1215.92,-384.16) 1(-1215.92,-384.16) 1(-1215.92,-384.16) 1(-1215.92,-384.13) 1(-1215.92,-384.13) 1(-1215.92,-384.13) 1(-1215.92,-384.09) 1(-1215.92,-384.09) 1(-1215.92,-384.09) 1(-1215.92,-384.09) 1(-1215.92,-384.09) 1(-1215.92,-384.09) 1(-1215.92,-383.28) 1(-1215.92,-383.28) 1(-1215.92,-383.28) 1(-1215.92,-383.28) 1(-1215.92,-383.28) 1(-1215.92,-383.28) 1(-1215.92,-383.24) 1(-1215.92,-383.24) 1(-1215.92,-383.24) 1(-1215.92,-383.24) 1(-1215.92,-383.24) 1(-1215.92,-383.24) 1(-1215.92,-383.24) 1(-1215.92,-383.24) 1(-1215.92,-383.24) 1(-1215.9,-383.36) 1(-1215.9,-383.36) 1(-1215.9,-383.36) 1(-1215.9,-383.31) 1(-1215.9,-383.31) 1(-1215.9,-383.31) 1(-1215.89,-384.35) 1(-1215.89,-384.35) 1(-1215.89,-384.35) 1(-1215.89,-384.35) 1(-1215.89,-384.35) 1(-1215.89,-384.35) 1(-1215.89,-384.31) 1(-1215.89,-384.31) 1(-1215.89,-384.31) 1(-1215.89,-384.28) 1(-1215.89,-384.28) 1(-1215.89,-384.28) 1(-1215.89,-384.24) 1(-1215.89,-384.24) 1(-1215.89,-384.24) 1(-1215.89,-384.24) 1(-1215.89,-384.24) 1(-1215.89,-384.24) 1(-1215.87,-383.36) 1(-1215.87,-383.36) 1(-1215.87,-383.36) 1(-1215.87,-383.31) 1(-1215.87,-383.31) 1(-1215.87,-383.31) 1(-1215.87,-383.15) 1(-1215.87,-383.15) 1(-1215.87,-383.15) 1(-1215.87,-384.2) 1(-1215.87,-384.2) 1(-1215.87,-384.2) 1(-1215.87,-384.2) 1(-1215.87,-384.2) 1(-1215.87,-384.2) 1(-1215.87,-384.16) 1(-1215.87,-384.16) 1(-1215.87,-384.16) 1(-1215.87,-384.13) 1(-1215.87,-384.13) 1(-1215.87,-384.13) 1(-1215.87,-384.09) 1(-1215.87,-384.09) 1(-1215.87,-384.09) 1(-1215.87,-384.09) 1(-1215.87,-384.09) 1(-1215.87,-384.09) 1(-1215.83,-383.53) 1(-1215.83,-383.53) 1(-1215.83,-383.53) 1(-1215.83,-383.53) 1(-1215.83,-383.53) 1(-1215.83,-383.53) 1(-1215.83,-383.49) 1(-1215.83,-383.49) 1(-1215.83,-383.49) 1(-1215.83,-383.46) 1(-1215.83,-383.46) 1(-1215.83,-383.46) 1(-1215.83,-383.42) 1(-1215.83,-383.42) 1(-1215.83,-383.42) 1(-1215.83,-383.42) 1(-1215.83,-383.42) 1(-1215.83,-383.42) 1(-1215.83,-383.36) 1(-1215.83,-383.36) 1(-1215.83,-383.36) 1(-1215.83,-383.36) 1(-1215.83,-383.36) 1(-1215.83,-383.36) 1(-1215.83,-383.31) 1(-1215.83,-383.31) 1(-1215.83,-383.31) 1(-1215.83,-383.31) 1(-1215.83,-383.31) 1(-1215.83,-383.31) 1(-1215.82,-383.28) 1(-1215.82,-383.28) 1(-1215.82,-383.28) 1(-1215.82,-383.28) 1(-1215.82,-383.28) 1(-1215.82,-383.28) 1(-1215.82,-383.24) 1(-1215.82,-383.24) 1(-1215.82,-383.24) 1(-1215.82,-383.24) 1(-1215.82,-383.24) 1(-1215.82,-383.24) 1(-1215.81,-383.37) 1(-1215.81,-383.37) 1(-1215.81,-383.37) 1(-1215.81,-383.37) 1(-1215.81,-383.37) 1(-1215.81,-383.37) 1(-1215.81,-383.32) 1(-1215.81,-383.32) 1(-1215.81,-383.32) 1(-1215.81,-383.32) 1(-1215.81,-383.32) 1(-1215.81,-383.32) 1(-1215.8,-383.28) 1(-1215.8,-383.28) 1(-1215.8,-383.28) 1(-1215.8,-383.28) 1(-1215.8,-383.28) 1(-1215.8,-383.28) 1(-1215.8,-383.24) 1(-1215.8,-383.24) 1(-1215.8,-383.24) 1(-1215.8,-383.24) 1(-1215.8,-383.24) 1(-1215.8,-383.24) 1(-1215.78,-384.57) 1(-1215.78,-384.57) 1(-1215.78,-384.57) 1(-1215.78,-384.57) 1(-1215.78,-384.57) 1(-1215.78,-384.57) 1(-1215.78,-384.53) 1(-1215.78,-384.53) 1(-1215.78,-384.53) 1(-1215.78,-384.5) 1(-1215.78,-384.5) 1(-1215.78,-384.5) 1(-1215.78,-384.46) 1(-1215.78,-384.46) 1(-1215.78,-384.46) 1(-1215.78,-384.46) 1(-1215.78,-384.46) 1(-1215.78,-384.46) 1(-1215.78,-383.53) 1(-1215.78,-383.53) 1(-1215.78,-383.53) 1(-1215.78,-383.53) 1(-1215.78,-383.53) 1(-1215.78,-383.53) 1(-1215.78,-383.49) 1(-1215.78,-383.49) 1(-1215.78,-383.49) 1(-1215.78,-383.46) 1(-1215.78,-383.46) 1(-1215.78,-383.46) 1(-1215.78,-383.42) 1(-1215.78,-383.42) 1(-1215.78,-383.42) 1(-1215.78,-383.42) 1(-1215.78,-383.42) 1(-1215.78,-383.42) 1(-1215.78,-384.83) 1(-1215.78,-384.83) 1(-1215.78,-384.83) 1(-1215.78,-384.83) 1(-1215.78,-384.83) 1(-1215.78,-384.83) 1(-1215.78,-384.78) 1(-1215.78,-384.78) 1(-1215.78,-384.78) 1(-1215.78,-384.78) 1(-1215.78,-384.78) 1(-1215.78,-384.78) 1(-1215.78,-384.77) 1(-1215.78,-384.77) 1(-1215.78,-384.77) 1(-1215.78,-384.77) 1(-1215.78,-384.77) 1(-1215.78,-384.77) 1(-1215.78,-384.72) 1(-1215.78,-384.72) 1(-1215.78,-384.72) 1(-1215.78,-384.72) 1(-1215.78,-384.72) 1(-1215.78,-384.72) 1(-1215.77,-383.49) 1(-1215.77,-383.49) 1(-1215.77,-383.49) 1(-1215.77,-383.49) 1(-1215.77,-383.49) 1(-1215.77,-383.49) 1(-1215.77,-383.45) 1(-1215.77,-383.45) 1(-1215.77,-383.45) 1(-1215.77,-383.42) 1(-1215.77,-383.42) 1(-1215.77,-383.42) 1(-1215.77,-383.38) 1(-1215.77,-383.38) 1(-1215.77,-383.38) 1(-1215.77,-383.38) 1(-1215.77,-383.38) 1(-1215.77,-383.38) 1(-1215.77,-383.6) 1(-1215.77,-383.6) 1(-1215.77,-383.6) 1(-1215.77,-383.6) 1(-1215.77,-383.6) 1(-1215.77,-383.6) 1(-1215.77,-383.56) 1(-1215.77,-383.56) 1(-1215.77,-383.56) 1(-1215.77,-383.53) 1(-1215.77,-383.53) 1(-1215.77,-383.53) 1(-1215.77,-383.49) 1(-1215.77,-383.49) 1(-1215.77,-383.49) 1(-1215.77,-383.49) 1(-1215.77,-383.49) 1(-1215.77,-383.49) 1(-1215.77,-383.37) 1(-1215.77,-383.37) 1(-1215.77,-383.37) 1(-1215.77,-383.32) 1(-1215.77,-383.32) 1(-1215.77,-383.32) 1(-1215.74,-383.37) 1(-1215.74,-383.37) 1(-1215.74,-383.37) 1(-1215.74,-383.32) 1(-1215.74,-383.32) 1(-1215.74,-383.32) 1(-1215.74,-384.83) 1(-1215.74,-384.83) 1(-1215.74,-384.83) 1(-1215.74,-384.78) 1(-1215.74,-384.78) 1(-1215.74,-384.78) 1(-1215.74,-384.77) 1(-1215.74,-384.77) 1(-1215.74,-384.77) 1(-1215.74,-384.72) 1(-1215.74,-384.72) 1(-1215.74,-384.72) 1(-1215.73,-383.15) 1(-1215.73,-383.15) 1(-1215.73,-383.15) 1(-1215.73,-384.57) 1(-1215.73,-384.57) 1(-1215.73,-384.57) 1(-1215.73,-384.57) 1(-1215.73,-384.57) 1(-1215.73,-384.57) 1(-1215.73,-384.53) 1(-1215.73,-384.53) 1(-1215.73,-384.53) 1(-1215.73,-384.5) 1(-1215.73,-384.5) 1(-1215.73,-384.5) 1(-1215.73,-384.46) 1(-1215.73,-384.46) 1(-1215.73,-384.46) 1(-1215.73,-384.46) 1(-1215.73,-384.46) 1(-1215.73,-384.46) 1(-1215.72,-383.49) 1(-1215.72,-383.49) 1(-1215.72,-383.49) 1(-1215.72,-383.49) 1(-1215.72,-383.49) 1(-1215.72,-383.49) 1(-1215.72,-383.45) 1(-1215.72,-383.45) 1(-1215.72,-383.45) 1(-1215.72,-383.42) 1(-1215.72,-383.42) 1(-1215.72,-383.42) 1(-1215.72,-383.38) 1(-1215.72,-383.38) 1(-1215.72,-383.38) 1(-1215.72,-383.38) 1(-1215.72,-383.38) 1(-1215.72,-383.38) 1(-1215.72,-383.6) 1(-1215.72,-383.6) 1(-1215.72,-383.6) 1(-1215.72,-383.6) 1(-1215.72,-383.6) 1(-1215.72,-383.6) 1(-1215.72,-383.56) 1(-1215.72,-383.56) 1(-1215.72,-383.56) 1(-1215.72,-383.53) 1(-1215.72,-383.53) 1(-1215.72,-383.53) 1(-1215.72,-383.49) 1(-1215.72,-383.49) 1(-1215.72,-383.49) 1(-1215.72,-383.49) 1(-1215.72,-383.49) 1(-1215.72,-383.49) 1(-1215.71,-383.49) 1(-1215.71,-383.49) 1(-1215.71,-383.49) 1(-1215.71,-383.49) 1(-1215.71,-383.49) 1(-1215.71,-383.49) 1(-1215.71,-383.43) 1(-1215.71,-383.43) 1(-1215.71,-383.43) 1(-1215.71,-383.43) 1(-1215.71,-383.43) 1(-1215.71,-383.43) 1(-1215.71,-384.83) 1(-1215.71,-384.83) 1(-1215.71,-384.83) 1(-1215.71,-384.78) 1(-1215.71,-384.78) 1(-1215.71,-384.78) 1(-1215.71,-384.77) 1(-1215.71,-384.77) 1(-1215.71,-384.77) 1(-1215.71,-384.72) 1(-1215.71,-384.72) 1(-1215.71,-384.72) 1(-1215.7,-383.28) 1(-1215.7,-383.28) 1(-1215.7,-383.28) 1(-1215.7,-383.28) 1(-1215.7,-383.28) 1(-1215.7,-383.28) 1(-1215.7,-383.28) 1(-1215.7,-383.28) 1(-1215.7,-383.28) 1(-1215.7,-383.24) 1(-1215.7,-383.24) 1(-1215.7,-383.24) 1(-1215.7,-383.24) 1(-1215.7,-383.24) 1(-1215.7,-383.24) 1(-1215.7,-383.24) 1(-1215.7,-383.24) 1(-1215.7,-383.24) 1(-1215.7,-383.37) 1(-1215.7,-383.37) 1(-1215.7,-383.37) 1(-1215.7,-383.37) 1(-1215.7,-383.37) 1(-1215.7,-383.37) 1(-1215.7,-383.32) 1(-1215.7,-383.32) 1(-1215.7,-383.32) 1(-1215.7,-383.32) 1(-1215.7,-383.32) 1(-1215.7,-383.32) 1(-1215.69,-383.27) 1(-1215.69,-383.27) 1(-1215.69,-383.27) 1(-1215.69,-383.27) 1(-1215.69,-383.27) 1(-1215.69,-383.27) 1(-1215.69,-383.25) 1(-1215.69,-383.25) 1(-1215.69,-383.25) 1(-1215.69,-383.25) 1(-1215.69,-383.25) 1(-1215.69,-383.25) 1(-1215.68,-383.36) 1(-1215.68,-383.36) 1(-1215.68,-383.36) 1(-1215.68,-383.36) 1(-1215.68,-383.36) 1(-1215.68,-383.36) 1(-1215.68,-383.32) 1(-1215.68,-383.32) 1(-1215.68,-383.32) 1(-1215.68,-383.29) 1(-1215.68,-383.29) 1(-1215.68,-383.29) 1(-1215.68,-383.25) 1(-1215.68,-383.25) 1(-1215.68,-383.25) 1(-1215.68,-383.25) 1(-1215.68,-383.25) 1(-1215.68,-383.25) 1(-1215.67,-384.83) 1(-1215.67,-384.83) 1(-1215.67,-384.83) 1(-1215.67,-384.83) 1(-1215.67,-384.83) 1(-1215.67,-384.83) 1(-1215.67,-384.78) 1(-1215.67,-384.78) 1(-1215.67,-384.78) 1(-1215.67,-384.78) 1(-1215.67,-384.78) 1(-1215.67,-384.78) 1(-1215.67,-384.77) 1(-1215.67,-384.77) 1(-1215.67,-384.77) 1(-1215.67,-384.77) 1(-1215.67,-384.77) 1(-1215.67,-384.77) 1(-1215.67,-384.72) 1(-1215.67,-384.72) 1(-1215.67,-384.72) 1(-1215.67,-384.72) 1(-1215.67,-384.72) 1(-1215.67,-384.72) 1(-1215.65,-383.15) 1(-1215.65,-383.15) 1(-1215.65,-383.15) 1(-1215.65,-383.15) 1(-1215.65,-383.15) 1(-1215.65,-383.15) 1(-1215.65,-382.94) 1(-1215.65,-382.94) 1(-1215.65,-382.94) 1(-1215.65,-382.94) 1(-1215.65,-382.94) 1(-1215.65,-382.94) 1(-1215.63,-383.36) 1(-1215.63,-383.36) 1(-1215.63,-383.36) 1(-1215.63,-383.36) 1(-1215.63,-383.36) 1(-1215.63,-383.36) 1(-1215.63,-383.32) 1(-1215.63,-383.32) 1(-1215.63,-383.32) 1(-1215.63,-383.29) 1(-1215.63,-383.29) 1(-1215.63,-383.29) 1(-1215.63,-383.25) 1(-1215.63,-383.25) 1(-1215.63,-383.25) 1(-1215.63,-383.25) 1(-1215.63,-383.25) 1(-1215.63,-383.25) 1(-1215.59,-383.49) 1(-1215.59,-383.49) 1(-1215.59,-383.49) 1(-1215.59,-383.49) 1(-1215.59,-383.49) 1(-1215.59,-383.49) 1(-1215.59,-383.47) 1(-1215.59,-383.47) 1(-1215.59,-383.47) 1(-1215.59,-383.47) 1(-1215.59,-383.47) 1(-1215.59,-383.47) 1(-1215.59,-383.45) 1(-1215.59,-383.45) 1(-1215.59,-383.45) 1(-1215.59,-383.45) 1(-1215.59,-383.45) 1(-1215.59,-383.45) 1(-1215.59,-383.43) 1(-1215.59,-383.43) 1(-1215.59,-383.43) 1(-1215.59,-383.43) 1(-1215.59,-383.43) 1(-1215.59,-383.43) 1(-1215.58,-383.63) 1(-1215.58,-383.63) 1(-1215.58,-383.63) 1(-1215.58,-383.58) 1(-1215.58,-383.58) 1(-1215.58,-383.58) 1(-1215.58,-383.58) 1(-1215.58,-383.58) 1(-1215.58,-383.58) 1(-1215.58,-383.49) 1(-1215.58,-383.49) 1(-1215.58,-383.49) 1(-1215.46,-383.63) 1(-1215.46,-383.63) 1(-1215.46,-383.63) 1(-1215.46,-383.58) 1(-1215.46,-383.58) 1(-1215.46,-383.58) 1(-1215.46,-383.58) 1(-1215.46,-383.58) 1(-1215.46,-383.58) 1(-1215.46,-383.49) 1(-1215.46,-383.49) 1(-1215.46,-383.49)